# Altium PCB HW_V1.0.0.PcbDoc
Units mm, origin at the board's own origin, x right, y up, seen from the top; angles counter-clockwise.
Board outline 68.2 x 99.47 mm, 2 copper layers (Top Layer, Bottom Layer); 61 components, 68 nets, 248 pads, 149 vias.
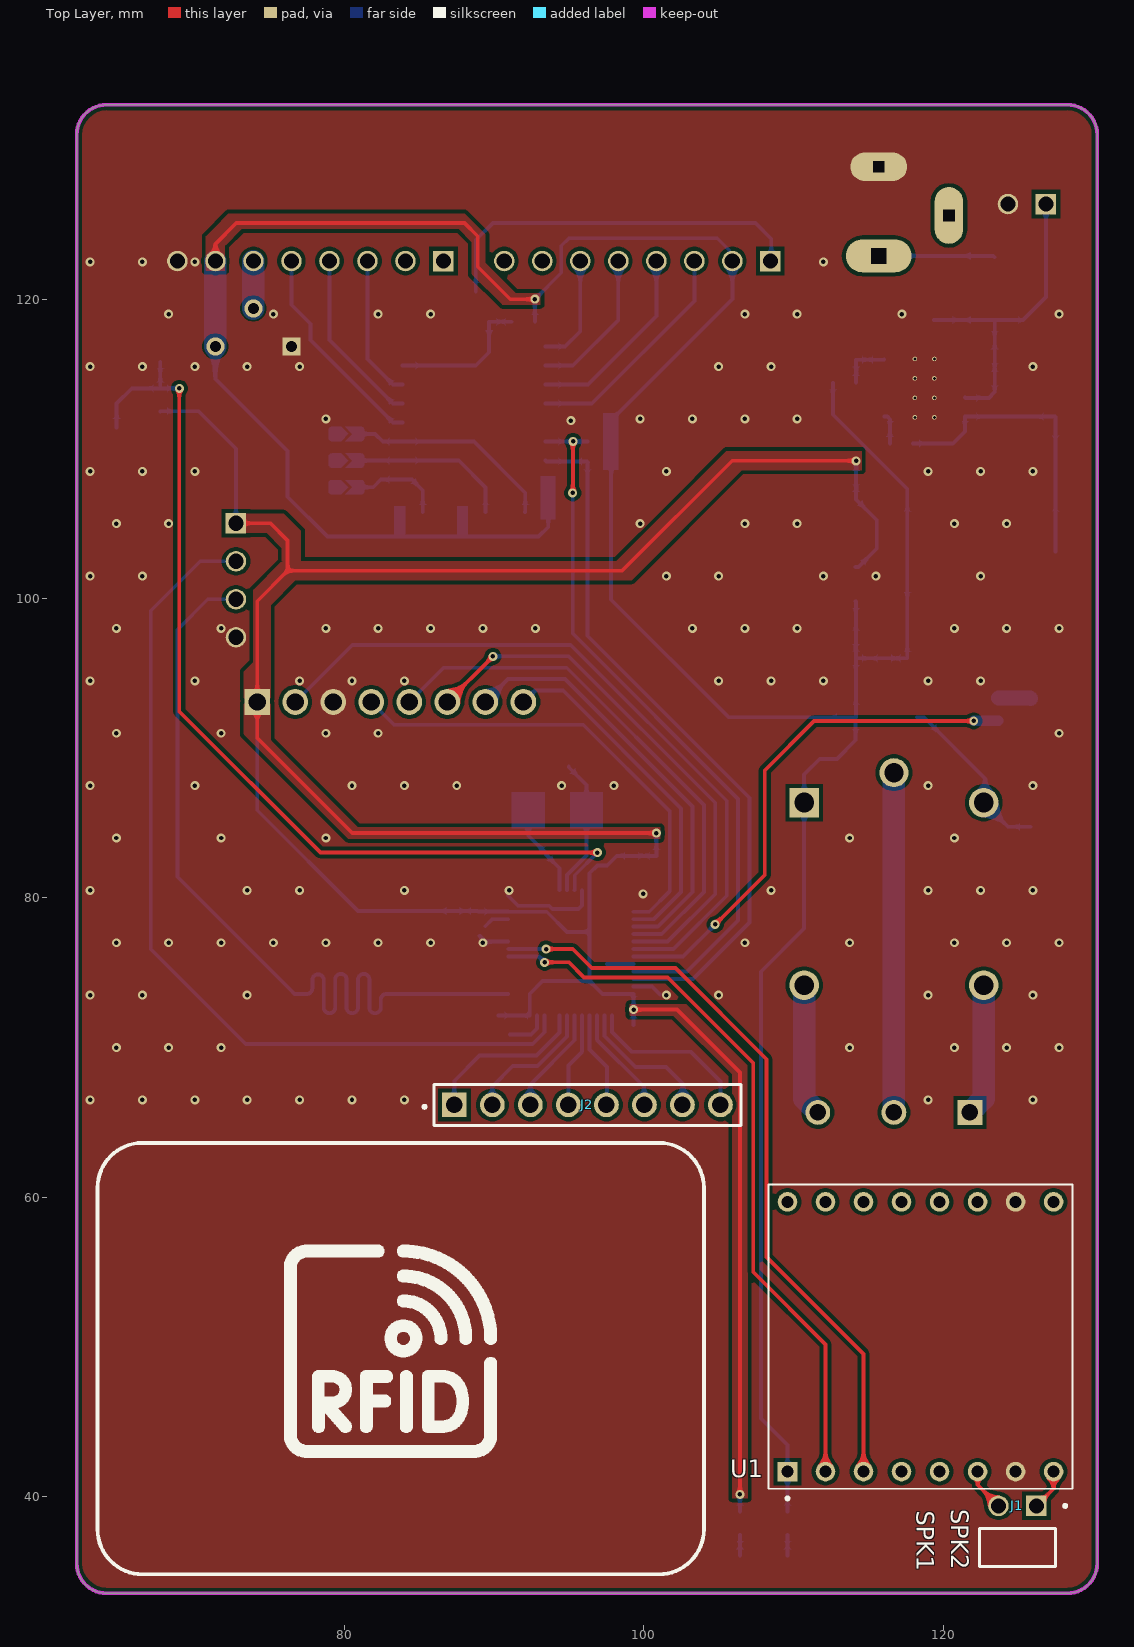
[diagram p0: Top Layer view]
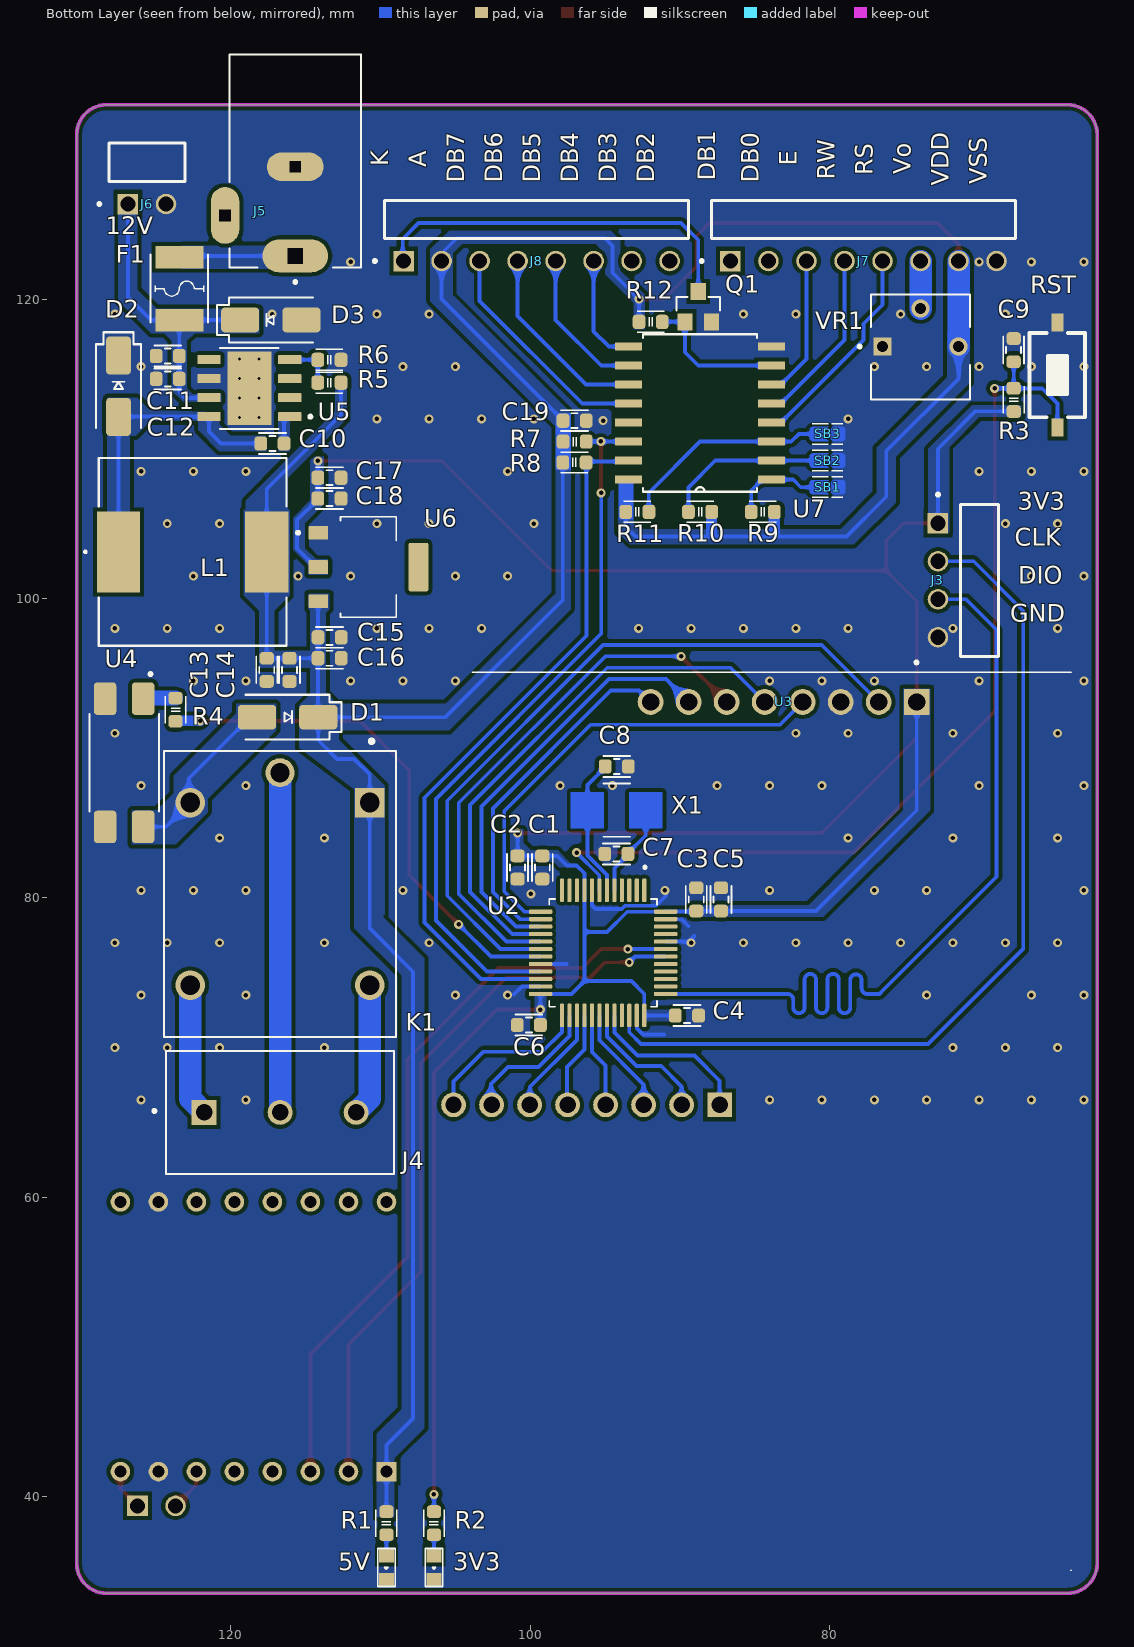
[diagram p1: Bottom Layer view, seen from below]
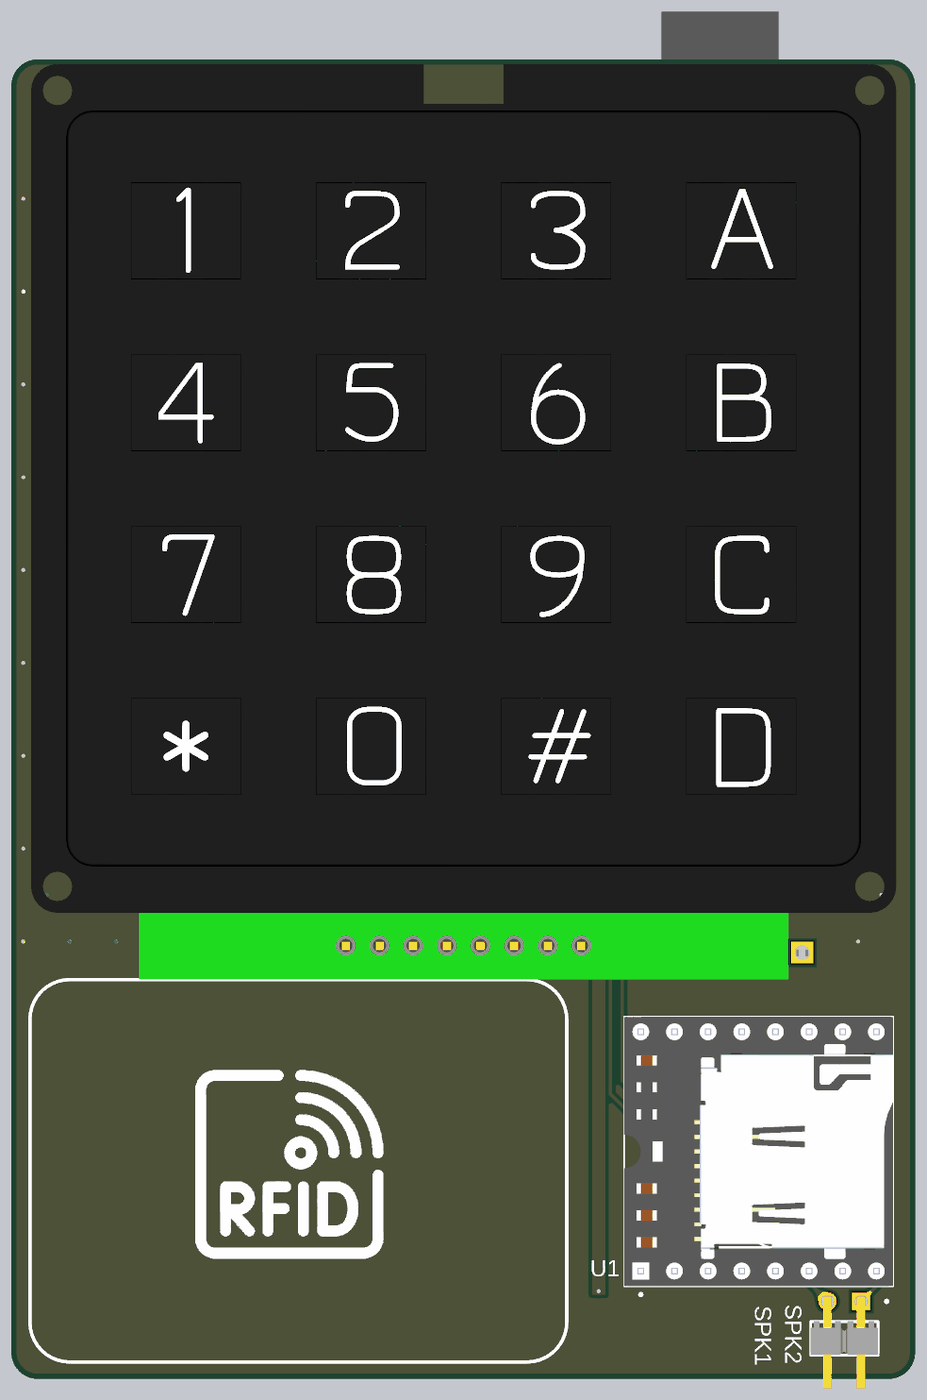
[diagram p2: 3D render of the assembled board from above, using the file's embedded part models]
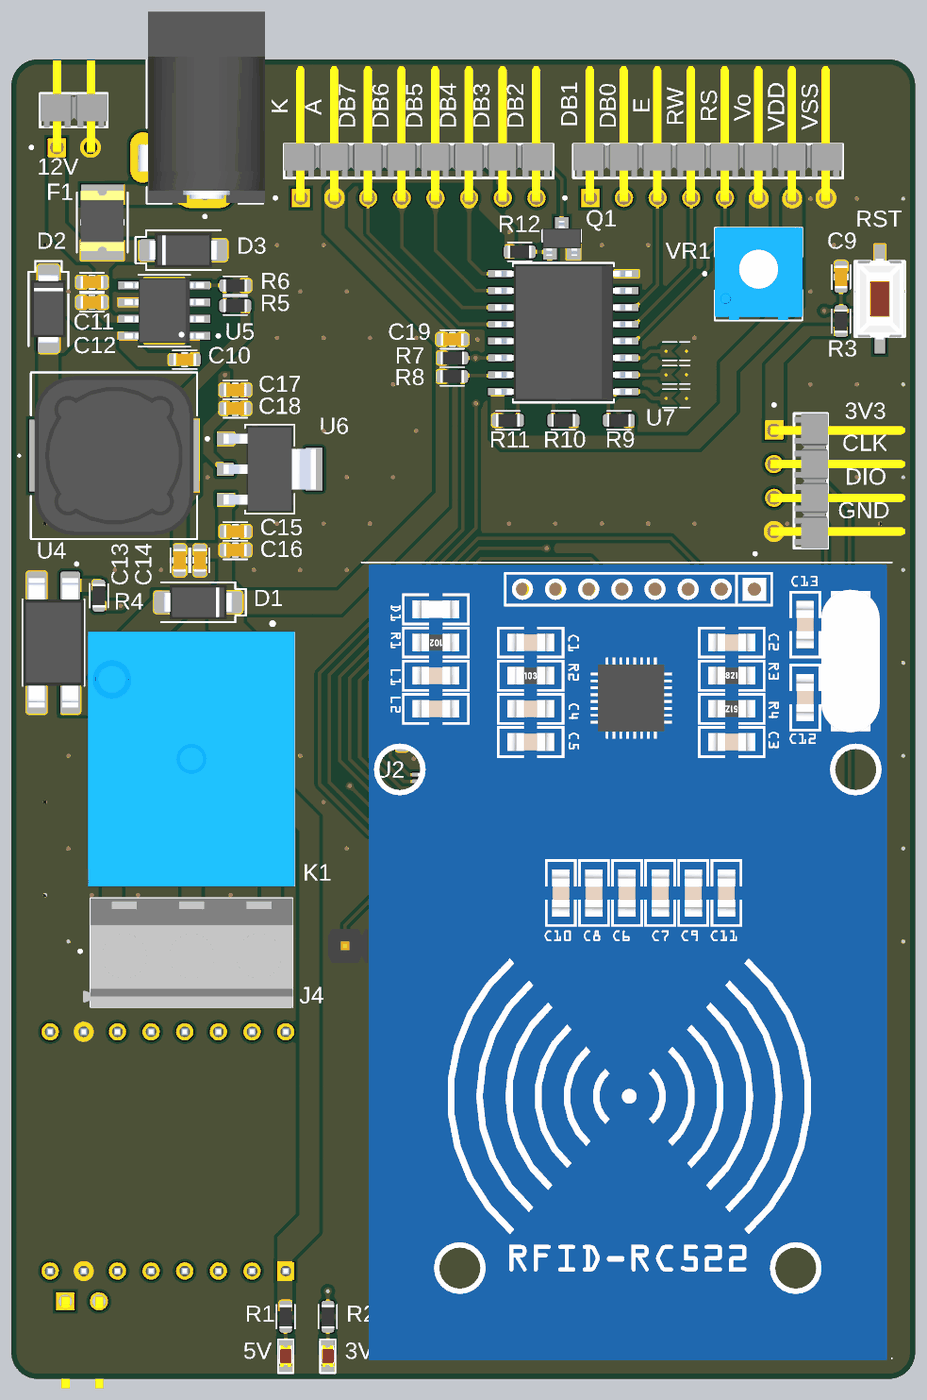
[diagram p3: 3D render of the assembled board from below, using the file's embedded part models]

## Layer stack, top to bottom
Top Solder: solder mask 0.0102, Solder Resist, Dk 3.5
Top Layer: signal copper 0.0356
Dielectric 1: dielectric 0.32, FR-4, Dk 4.8
Bottom Layer: signal copper 0.0356
Bottom Solder: solder mask 0.0102, Solder Resist, Dk 3.5

## Board outline
62.103,35.528 62.103,131 cw(c64.103,131) 64.103,133 128.302,133 cw(c128.302,131) 130.302,131 130.302,35.528 cw(c128.302,35.528) 128.302,33.528 64.103,33.528 cw(c64.103,35.528)

## Design rules (kind name [scope] priority, off if disabled: settings)
Clearance [All] p1: gap=0.254 ignorepadtopadclearanceinfootprint=FALSE except(0.127: Arc-Arc Arc-Track Arc-SMDPad Track-Track Track-SMDPad SMDPad-SMDPad)
HoleSize [All] p1: absolutevalues=TRUE maxlimit=5 minlimit=0.025 maxpercent=80.000 minpercent=20.000
PolygonConnect [All] p1: connectstyle=Direct reliefconductorwidth=0.254 reliefentries=4 polygonreliefangle="90 Angle" airgapwidth=0.254
RoutingVias [All] p1: holewidth=0.711 width=1.27 viastyle="Through Hole" minholewidth=0.711 minwidth=1.27 maxholewidth=0.711 maxwidth=1.27
SolderMaskExpansion [All] p1: expansion=0.102 istentingtop=FALSE
SupplyNets "Schematic Supply Nets_3" [InNet('12V')] p1: voltage=0.000
SupplyNets "Schematic Supply Nets_2" [InNet('3V3')] p2: voltage=0.000
SupplyNets "Schematic Supply Nets_1" [InNet('5V')] p3: voltage=0.000
SupplyNets "Schematic Supply Nets" [InNet('GND')] p4: voltage=0.000
Width [All] p1: maxlimit=2 minlimit=0.254 preferedwidth=0.254 minimp=50.000000 maximp=50.000000 favimp=50.000000
29 further rules are at their usual default settings.

## Classes and differential pairs
component class LCD: C19 J7 J8 Q1 R7 R8 R9 R10 R11 R12 SB1 SB2 SB3 U7 VR1
component class RFID: U3
component class Relay: D1 J4 K1 R4 U4
component class POWER: C10 C11 C12 C13 C14 C15 C16 C17 C18 D2 D3 F1 J5 J6 L1 R5 R6 U5 U6
component class MCU: 3V3 5V C1 C2 C3 C4 C5 C6 C7 C8 C9 J1 J2 J3 R1 R2 R3 RST U1 U2 X1

## Components (designator, comment, footprint, x,y, rotation, side; value= is the part's Value field where it differs from the comment)
3V3 "LED" LED-0603-RED 106.426,35.242 r270 bottom value="LED 3 - 5 ly 2 Colour" (schematic designator LED2)
5V "LED" LED-0603-RED 109.601,35.242 r270 bottom value="LED 3 - 5 ly 2 Colour" (schematic designator LED1)
C1 "10nF/16V" CAP_C_1608X80 99.187,82.029 r90 bottom value=33pF
C2 "1uF/16V" CAP_C_1608X80 100.838,82.029 r90 bottom value=33pF
C3 "4.7uF/16V" CAP_C_1608X80 88.9,79.896 r270 bottom value=33pF
C4 "0.1uF/16V" CAP_C_1608X80 89.522,72.136 r0 bottom value=33pF
C5 "0.1uF/16V" CAP_C_1608X80 87.249,79.896 r270 bottom value=33pF
C6 "0.1uF/16V" CAP_C_1608X80 100.089,71.501 r180 bottom value=33pF
C7 "12pF/16V" CAP_C_1608X80 94.237,82.938 r180 bottom value=33pF
C8 "12pF/16V" CAP_C_1608X80 94.211,88.78 r0 bottom value=33pF
C9 "0.1uF/16V" CAP_C_1608X80 67.691,116.599 r270 bottom value=33pF
C10 "10nF/16V" CAP_C_1608X80 117.221,110.363 r180 bottom value=33pF
C11 "10uF/25V" CAP_C_1608X80 124.219,116.205 r180 bottom value=33pF
C12 "1uF/25V" CAP_C_1608X80 124.219,114.681 r180 bottom value=33pF
C13 "10uF/25V" CAP_C_1608X80 117.602,95.237 r90 bottom value=33pF
C14 "1uF/25V" CAP_C_1608X80 116.078,95.237 r90 bottom value=33pF
C15 "1uF/16V" CAP_C_1608X80 113.398,97.409 r0 bottom value=33pF
C16 "0.1uF/16V" CAP_C_1608X80 113.398,96.012 r0 bottom value=33pF
C17 "0.1uF/16V" CAP_C_1608X80 113.411,108.077 r0 bottom value=33pF
C18 "1uF/16V" CAP_C_1608X80 113.411,106.68 r0 bottom value=33pF
C19 "0.1uF/16V" CAP_C_1608X80 97.028,111.887 r0 bottom value=33pF
D1 "SS34" DO-214AC_SMA 116.205,92.075 r0 bottom value=1N5007
D2 "SS54" DO-214AC_SMA 127.508,114.191 r270 bottom value=SS34
D3 "SS34" DO-214AC_SMA 117.33,118.618 r180 bottom value=1N5007
F1 "MF-MSMF150/24X-2" FUSER_MF-MSMF150/24X-2 123.444,120.709 r270 bottom
J1 "MTSW-102-08-G-S-100-RA" SAMTEC_MTSW-102-08-G-S-100-RA 124.968,36.58 r0 top
J2 "keypad module" 61300811121 96.231,66.167 r0 top
J3 "HTSW-104-08-G-S-RA" SAMTEC_HTSW-104-08-G-S-RA 69.977,101.219 r90 bottom
J4 "282837-3" TE_282837-3 116.713,65.659 r180 bottom
J5 "EJ508A" MPD_EJ508A 115.697,125.603 r0 bottom
J6 "MTSW-102-08-G-S-100-RA" SAMTEC_MTSW-102-08-G-S-100-RA 125.603,129.155 r0 bottom
J7 "TSW-108-10-S-S-RA" SAMTEC_TSW-108-10-S-S-RA 86.614,122.555 r0 bottom
J8 "TSW-108-10-S-S-RA" SAMTEC_TSW-108-10-S-S-RA 108.458,122.555 r0 bottom
K1 "SRD-05VDC-SL-C" RELAY_SRD-05VDC-SL-C 116.713,80.264 r270 bottom
L1 "15uH" IND_CDRH127/LDNP-470MC_SUM 122.555,103.124 r180 bottom
Q1 "SMD-TRANSISTORS-NPN-25V-500MW(SOT-23)" SOT-23 88.773,119.507 r180 bottom
R1 "2k" RES_C_1608X60 109.601,38.214 r90 bottom
R2 "1k" RES_C_1608X60 106.426,38.214 r90 bottom
R3 "10k" RES_C_1608X60 67.691,113.271 r270 bottom
R4 "1k" RES_C_1608X60 123.698,92.57 r90 bottom
R5 "10k" RES_C_1608X60 113.411,114.427 r0 bottom
R6 "3.24k" RES_C_1608X60 113.411,115.951 r180 bottom
R7 "4.7k" RES_C_1608X60 97.028,110.49 r0 bottom
R8 "4.7k" RES_C_1608X60 97.041,109.093 r0 bottom
R9 "1k" RES_C_1608X60 84.455,105.791 r180 bottom
R10 "1k" RES_C_1608X60 88.646,105.791 r180 bottom
R11 "1k" RES_C_1608X60 92.837,105.791 r0 bottom
R12 "4.7k" RES_C_1608X60 91.948,118.491 r0 bottom
RST "BT_NRST" SW2-SMD 64.77,114.935 r270 bottom value="SW chip 2 pin" (schematic designator BT1)
SB1 "JUMPER" JUMPER_1608 80.137,107.442 r180 bottom
SB2 "JUMPER" JUMPER_1608 80.137,109.22 r180 bottom
SB3 "JUMPER" JUMPER_1608 80.137,110.998 r180 bottom
U1 "DFR0299" MODULE_DFR0299 118.491,50.673 r90 top
U2 "STM32F103C8T6" QFP50P900X900X160-48N 95.123,76.327 r270 bottom
U3 "CEG006900" MODULE_CEG006900 82.618,120.851 r0 bottom
U4 "PC817X2NIP1B" SOIC254P960X420-4N 127.127,89.027 r270 bottom
U5 "TPS5430DDAR" CONV_TPS5430DDAR 118.76,114.061 r0 bottom
U6 "AMS1117" SOT229P700X180-4N 110.807,102.108 r180 bottom
U7 "PCF8574T" SOIC127P1032X265-16N 88.646,112.395 r0 bottom
VR1 "3362P-103" TRIM_3362P-103 73.914,116.84 r180 bottom
X1 "ECS-080-18-5PX-JES-TR" "XTAL 8MHz" 94.224,85.859 r0 bottom

## Footprints (in the part's own frame and the unit in brackets; to place one, negate y for a bottom-side part, rotate by r counter-clockwise, add the part's x,y. Pads: shape width x height; smd on the part's side, far side on the other; paste and mask are expansions set on the pad)
61300811121 [mm]
  rect 1.65x1.65 hole 1.1: 1(-8.89,0)
  round 1.65 hole 1.1: 2(-6.35,0) 3(-3.81,0) 4(-1.27,0) 5(1.27,0) 6(3.81,0) 7(6.35,0) 8(8.89,0)
  silkscreen extent -10.99,-1.37 10.26,1.37, body extent -32.65,-2.51 32.65,66.49, height 24.39
CAP_C_1608X80 [mm] "Chip Capacitor, 2-Leads, Body 1.60x0.80mm, IPC Medium Density"
  rrect50% 0.85x0.95 smd: 1(-0.775,0) 2(0.775,0)
  silkscreen extent -0.9,-0.7 0.9,0.7, body extent -0.87,-0.48 0.87,0.48, height 0.85
CONV_TPS5430DDAR [mm] "IC REG BUCK ADJ 3A 8SOPWR"
  rrect10% 1.55x0.6 smd mask+0: 1(-2.7,1.905) 2(-2.7,0.635) 3(-2.7,-0.635) 4(-2.7,-1.905) 5(2.7,-1.905) 6(2.7,-0.635) 7(2.7,0.635) 8(2.7,1.905)
  round 0.3 hole 0.2 mask+0: 6(-0.65,-1.95) 6(-0.65,-0.65) 6(-0.65,0.65) 6(-0.65,1.95) 6(0.65,-1.95) 6(0.65,-0.65) 6(0.65,0.65) 6(0.65,1.95)
  rect 2.95x4.9 smd paste+0: 9(0,0)
  silkscreen extent -4.17,-2.69 1.96,2.72, body extent -3,-2.45 3,2.45, height 1.7
DO-214AC_SMA [mm] "Molded Diode, 2-Leads, Body 5.20x2.61mm, IPC Medium Density"
  rrect30% 2.55x1.65 smd: 1(-2.05,0) 2(2.05,0)
  silkscreen extent -3.6,-1.5 2.8,1.5, body extent -2.6,-1.3 2.6,1.3, height 2.4
FUSER_MF-MSMF150/24X-2 [mm]
  rect 1.5x3.2 smd: 1(-2.1,0) 2(2.1,0)
  silkscreen extent -2.27,-1.91 2.27,1.91, body extent -2.38,-1.62 2.17,1.62, height 0.85
IND_CDRH127/LDNP-470MC_SUM [mil]
  rect 114x213 smd: 1(-195,0) 2(195,0)
  silkscreen extent -285,-247 247,247, body extent -236,-236 236,236, height 315
JUMPER_1608 [mil]
  round 1 smd: 1(30.51,0)
  round 1 smd paste-99999 mask+4: 2(-30,0)
  Top Layer region: -14.86,-0.09 3.75,-18.7 -38.37,-18.7 -41.57,-18.06 -44.28,-16.25 -46.1,-13.54 -46.73,-10.33 -46.73,-10.33 -46.73,10.33 -46.1,13.54 -44.28,16.25 -41.57,18.06 -38.37,18.7 -38.37,18.7 3.93,18.7
  Top Layer region: 38.88,-18.7 13.56,-18.7 -5,0 13.56,18.7 38.88,18.7 42.08,18.06 44.79,16.25 46.61,13.54 47.24,10.33 47.24,10.33 47.24,-10.33 46.61,-13.54 44.79,-16.25 42.08,-18.06 38.88,-18.7
  silkscreen extent -40,-27 41,27
LED-0603-RED [mm]
  rect 0.9x1 smd: 1(-0.8,0) 2(0.8,0)
  silkscreen extent -1.27,-0.58 1.27,0.58, body extent -0.81,-0.5 0.81,0.5, height 0.98
MODULE_CEG006900 [mm]
  rect 1.725x1.725 / inner round 1.725 / far side rect 1.725x1.725 hole 1.15: 1(-8.45,27.76)
  round 1.725 hole 1.15: 2(-5.91,27.76) 3(-3.37,27.76) 4(-0.83,27.76) 5(1.71,27.76) 6(4.25,27.76) 7(6.79,27.76) 8(9.33,27.76)
  silkscreen extent -18.76,25.02 21.24,85.78, body extent -18.39,25.93 20.72,85.93, height 15.96
MODULE_DFR0299 [mm]
  rect 1.308x1.308 / inner round 1.308 / far side rect 1.308x1.308 hole 0.8: 1(-9.017,8.89)
  round 1.308 hole 0.8: 2(-9.017,6.35) 3(-9.017,3.81) 4(-9.017,1.27) 5(-9.017,-1.27) 6(-9.017,-3.81) 7(-9.017,-6.35) 8(-9.017,-8.89) 9(9.017,-8.89) 10(9.017,-6.35) 11(9.017,-3.81) 12(9.017,-1.27) 13(9.017,1.27) 14(9.017,3.81) 15(9.017,6.35) 16(9.017,8.89)
  silkscreen extent -10.9,-10.16 10.16,10.16, body extent -10.16,-10.16 10.16,10.16, height 6.25
MPD_EJ508A [mm]
  oval 4.4x2.2 hole 1.02 square: 1(0,2.705)
  oval 3.8x1.9 hole 0.76 square: 2(0,-3.25)
  oval 1.9x3.8 hole 0.76 square: 3(4.69,0)
  silkscreen extent -4.4,-10.74 4.4,4.55, body extent -4.52,-10.99 5.03,3.43, height 10.98
QFP50P900X900X160-48N [mm]
  rrect50% 1.56x0.28 smd: 1(-4.18,2.75) 2(-4.18,2.25) 3(-4.18,1.75) 4(-4.18,1.25) 5(-4.18,0.75) 6(-4.18,0.25) 7(-4.18,-0.25) 8(-4.18,-0.75) 9(-4.18,-1.25) 10(-4.18,-1.75) 11(-4.18,-2.25) 12(-4.18,-2.75) 25(4.18,-2.75) 26(4.18,-2.25) 27(4.18,-1.75) 28(4.18,-1.25) 29(4.18,-0.75) 30(4.18,-0.25) 31(4.18,0.25) 32(4.18,0.75) 33(4.18,1.25) 34(4.18,1.75) 35(4.18,2.25) 36(4.18,2.75)
  rrect50% 0.28x1.56 smd: 13(-2.75,-4.18) 14(-2.25,-4.18) 15(-1.75,-4.18) 16(-1.25,-4.18) 17(-0.75,-4.18) 18(-0.25,-4.18) 19(0.25,-4.18) 20(0.75,-4.18) 21(1.25,-4.18) 22(1.75,-4.18) 23(2.25,-4.18) 24(2.75,-4.18) 37(2.75,4.18) 38(2.25,4.18) 39(1.75,4.18) 40(1.25,4.18) 41(0.75,4.18) 42(0.25,4.18) 43(-0.25,4.18) 44(-0.75,4.18) 45(-1.25,4.18) 46(-1.75,4.18) 47(-2.25,4.18) 48(-2.75,4.18)
  silkscreen extent -5.79,-3.6 3.6,3.6, body extent -4.5,-4.5 4.5,4.5, height 1.6
RELAY_SRD-05VDC-SL-C [mm]
  rect 1.98x1.98 / inner round 1.98 / far side rect 1.98x1.98 hole 1.32: A1(-6.1,6)
  round 1.98 hole 1.32: A2(-6.1,-6) NC(6.1,6) NO(6.1,-6)
  round 1.935 hole 1.29: COM(-8.1,0)
  silkscreen extent -10.3,-7.75 9.55,7.75, body extent -9.6,-7.8 9.6,7.8, height 15.8
RES_C_1608X60 [mm] "Chip Resistor, 2-Leads, Body 1.63x0.83mm, IPC High Density"
  rrect50% 0.85x0.95 smd: 1(-0.775,0) 2(0.775,0)
  silkscreen extent -0.9,-0.7 0.9,0.7, body extent -0.87,-0.48 0.87,0.48, height 0.6
SAMTEC_HTSW-104-08-G-S-RA [mm]
  rect 1.37x1.37 / inner round 1.37 / far side rect 1.37x1.37 hole 1.02: 01(3.81,2.77)
  round 1.37 hole 1.02: 02(1.27,2.77) 03(-1.27,2.77) 04(-3.81,2.77)
  silkscreen extent -5.08,-1.27 5.83,2.87, body extent -5.08,-7.15 5.08,3.07, height 3.02
SAMTEC_MTSW-102-08-G-S-100-RA [mm]
  rect 1.37x1.37 / inner round 1.37 / far side rect 1.37x1.37 hole 1.02: 01(1.27,2.79)
  round 1.37 hole 1.02: 02(-1.27,2.79)
  silkscreen extent -2.54,-1.27 3.29,2.89, body extent -2.57,-3.77 2.51,3.16, height 2.77
SAMTEC_TSW-108-10-S-S-RA [mm]
  rect 1.37x1.37 / inner round 1.37 / far side rect 1.37x1.37 hole 1.02: 01(0,0)
  round 1.37 hole 1.02: 02(-2.54,0) 03(-5.08,0) 04(-7.62,0) 05(-10.16,0) 06(-12.7,0) 07(-15.24,0) 08(-17.78,0)
  silkscreen extent -19.05,-4.04 2.02,0.1, body extent -19.02,-9.94 1.3,0.28, height 2.27
SOIC127P1032X265-16N [mil]
  rect 71x21 smd: 1(-188,175) 2(-188,125) 3(-188,75) 4(-188,25) 5(-188,-25) 6(-188,-75) 7(-188,-125) 8(-188,-175) 9(188,-175) 10(188,-125) 11(188,-75) 12(188,-25) 13(188,25) 14(188,75) 15(188,125) 16(188,175)
  silkscreen extent -150,-207 150,207, body extent -203,-203 203,203, height 104
SOIC254P960X420-4N [mm]
  rrect25% 2.15x1.48 smd: 1(-4.28,1.27) 2(-4.28,-1.27) 3(4.28,-1.27) 4(4.28,1.27)
  silkscreen extent -6.03,-2.33 3.25,2.33, body extent -4.87,-2.29 4.87,2.29, height 4
SOT229P700X180-4N [mm]
  rrect15% 1.31x0.93 smd: 1(-3.345,2.29) 2(-3.345,0) 3(-3.345,-2.29)
  rrect15% 1.31x3.24 smd: 4(3.345,0)
  silkscreen extent -4.8,-3.36 1.86,3.36, body extent -3.5,-3.25 3.5,3.25, height 1.8
SOT-23 [mil]
  rect 40x45 smd: 1(-35,-40) 2(35,-40) 3(0,40)
  silkscreen extent -58,-10 58,25, body extent -57,-51 57,51, height 55